# Allegro board 20250806_UNOQ.brd (continued)
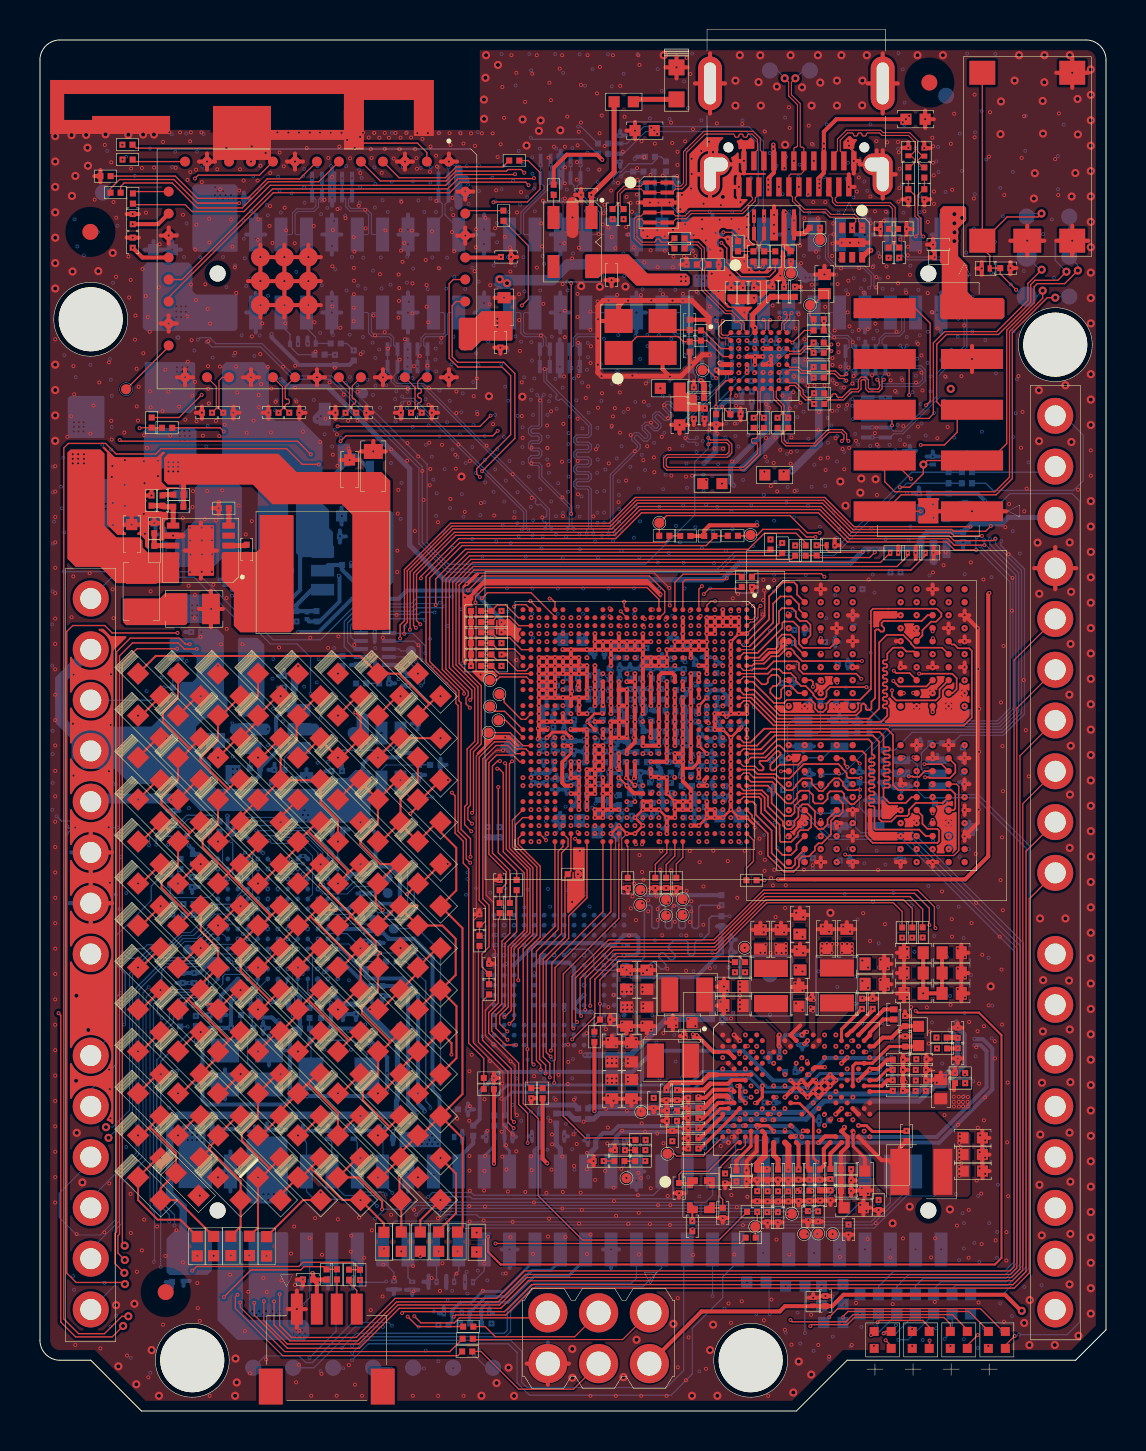
[diagram p0: board, top side]
## Routing (per net, layer and track width the routed paths; a pad name or vN(x,y) marks a point on that pad's centre or on a via; arc(x,y) is an arc through that point) (continued)
MCU_TRACE_D0: length 69.3
  S6 w0.064: v4(4.67,20.7) 4.22,20.24 4.22,15.51 4.96,14.77 4.96,6.98 6.23,5.71 9.2,5.71 9.47,5.44 12.41,5.44 13.26,4.59 v4(14,4.59)
  G7 w0.064: v5(20.37,9.57) 20.13,9.33 20.13,6.08 18.8,4.75 14.16,4.75 v4(14,4.59) ; v5(13.15,21.86) 13.15,21.58 12.47,20.9 10.59,20.9 9.96,20.27 8.26,20.27 8,20.02 7.06,20.02 6.5,20.57 5.21,20.57 5.08,20.7 v4(4.67,20.7)
  BOTTOM w0.051: MCU1.D3 13.16,22.37 13.16,21.86
  BOTTOM w0.066: 13.16,21.86 v5(13.15,21.86) ; JMISC1.6 42.54,10.42 41.58,9.46 20.48,9.46 v5(20.37,9.57)
MCU_TRACE_D2: length 42.4
  S6 w0.064: v4(12.7,22.38) 12.7,17.47 11.71,16.48 11.71,15.32 17.57,9.46 v5(17.57,9.31)
  G7 w0.064: v5(13.39,22.2) 13.31,22.2 13.13,22.38 v4(12.7,22.38)
  BOTTOM w0.066: JMISC1.8 41.27,10.67 40.28,9.68 21.99,9.68 21.85,9.82 20.29,9.82 19.97,9.5 17.76,9.5 v5(17.57,9.31)
MCU_TRACE_D3: length 66.5
  S6 w0.064: v4(13.87,4.84) 13.23,4.84 12.45,5.62 9.49,5.62 9.26,5.85 6.29,5.85 5.1,7.04 5.1,14.85 4.37,15.58 4.37,19.91 4.95,20.5 4.95,21.56 v4(4.88,21.64)
  G7 w0.064: v4(13.87,4.84) 14,4.97 18.51,4.97 19.56,6.02 19.56,7.96 19.92,8.32 19.92,9.85 v5(19.98,9.91) ; v4(4.88,21.64) 4.88,21.44 5.36,20.95 8.1,20.95 8.56,21.41 10.9,21.41 11.02,21.54 11.66,21.54 12.14,22.02 12.14,23.11 12.35,23.32 12.69,23.32 v5(12.9,23.11)
  BOTTOM w0.066: v5(19.98,9.91) 20.05,9.98 38.69,9.98 40,11.29 40,11.98
MCU_USART1_RX: length 14.2
  S6 w0.064: v4(4.57,23.34) 4.57,23.29 4.62,23.24 4.62,20.98 v4(4.34,20.7)
  G7 w0.064: v4(4.57,23.34) 4.72,23.5 7.68,23.5 7.94,23.75 9.5,23.75 9.83,24.08 10.82,24.08 11.13,23.77 12.24,23.77 v5(12.4,23.61) ; v5(7.01,19.74) 6.99,19.74 6.3,20.42 4.62,20.42 v4(4.34,20.7)
MCU_USART1_RX_CONN: length 66.5
  S3 w0.064: JDIGITAL1.1 50.8,6.15 50.6,6.35 49.6,6.35 48.15,4.9 32.56,4.9 31.27,6.2 24.46,6.2 24.02,5.76 24.02,3.7 21.24,0.92 17.22,0.92 16.84,1.3 v3(16.84,1.4)
  S6 w0.064: v3(16.84,1.4) 17.3,1.85 17.3,2.79 11.44,8.65 8.9,8.65 6.76,10.79 6.76,12.88 6.92,13.05 6.92,17.38 8.64,19.09 v4(8.64,19.46)
  G7 w0.064: v4(8.64,19.46) 7.62,19.46 v5(7.39,19.23)
  BOTTOM w0.064: R2624.2 v5(7.39,19.23)
MCU_USART1_TX: length 3.5
  BOTTOM w0.051: MCU1.B5 14.64,23.37 15.44,23.37
  BOTTOM w0.064: 15.44,23.37 15.8,23.01 15.8,22.81 16.13,22.48 R2623.1
MCU_USART1_TX_CONN: length 62.7
  S3 w0.064: v3(17.37,1.32) 17.64,1.32 17.86,1.1 21.16,1.1 23.84,3.78 23.84,5.83 24.39,6.38 31.34,6.38 32.64,5.08 48.03,5.08 49.55,6.6 49.78,6.6 JDIGITAL1.2
  S6 w0.064: v3(17.37,1.32) 18.01,1.32 18.54,1.85 18.54,5.43 18.29,5.68 18.29,6.9 19.14,7.75 v4(19.14,8.92)
  G7 w0.064: v4(19.14,8.92) 19.14,10.51 18.83,10.82 18.83,12.78 18.49,13.12 18.49,13.79 19.53,14.83 v5(19.53,15.16)
  BOTTOM w0.064: R2623.2 18.31,22.48 19.3,21.49 19.3,15.49 19.53,15.27 v5(19.53,15.16)
MCU_VCAP: length 37
  V5 w0.203: v3(7.09,18.75) 7.39,18.75 8.2,19.56 8.2,25.84 v3(7.35,26.69)
  S6 w0.203: v5(7.62,26.72) 7.39,26.72 7.37,26.7 7.37,26.69 v3(7.35,26.69)
  S6 w0.254: v4(7.37,18.76) 7.1,18.76 v3(7.09,18.75)
  G7 w0.203: v5(19.25,14.99) 19.25,15.01 18.87,15.39 8.1,15.39 7.37,16.12 v4(7.37,18.76)
  BOTTOM w0.051: 8.11,26.61 MCU1.N11
  BOTTOM w0.2: v5(19.25,14.99) 19.23,14.99 19.23,15.07 18.92,15.37 18.92,20.85 18.14,21.64 16.51,21.64 16.31,21.84 C2501.1 16.15,22.07 15.11,23.11 MCU1.A4
  BOTTOM w0.203: v5(7.62,26.72) 8,26.72 8.11,26.61
MCU_VREF+: length 91.1
  V5 w0.524: v3(7.57,20.68) 7.14,20.68 5.58,22.23 5.58,25.86 6.44,26.72 6.46,26.72 7.7,27.96 7.7,29.89 4.8,32.79 4.8,48.3 7.11,50.61 7.11,51.81 7.93,52.63 10.71,52.63 v3(11.74,51.6)
  S6 w0.203: v4(7.87,20.68) v3(7.57,20.68)
  S6 w0.254: v3(11.74,51.6) v5(12.04,51.6)
  G7 w0.203: v5(8.48,20.6) 7.95,20.6 v4(7.87,20.68)
  BOTTOM w0.2: v5(8.48,20.6) C2521.1 C2520.1 9.04,20.76 MCU1.L1
  BOTTOM w0.254: JDIGITAL1.16 48.44,44.7 48.11,44.37 46.6,44.37 C2614.1 44.39,43.96 44.06,43.63 U2501.3 41.26,43.11 40.57,42.42 34.98,42.42 34.14,41.58 20.22,41.58 18.5,43.3 18.5,47.13 14.39,51.24 12.4,51.24 v5(12.04,51.6)
MCU_VREF_EN: length 133.3
  TOP w0.066: v6(4.16,4.25) 3.62,3.71 1.78,3.71 1.04,4.45 1.04,19.79 v2(0.93,19.9)
  S3 w0.064: v2(0.93,19.9) v3(1.93,19.9)
  S6 w0.064: v3(1.93,19.9) 3.15,19.9 v4(3.4,19.65)
  G7 w0.064: v5(6.11,19.65) 5.9,19.86 3.61,19.86 v4(3.4,19.65) ; v5(48.98,3.82) 47.45,5.35 42.13,5.35 40.39,7.09 24.06,7.09 22.89,5.92 22.89,3.51 21.05,1.67 12.71,1.67 8.96,5.42 5.61,5.42 4.45,4.25 v6(4.16,4.25)
  BOTTOM w0.058: 9.03,21.87 8.64,21.87 8.42,21.65 8.42,21.33 8.04,20.95 6.51,20.95 5.87,20.31 5.87,19.89 v5(6.11,19.65)
  BOTTOM w0.066: 9.03,21.87 9.27,22.11 MCU1.M2 ; v5(48.98,3.82) 51.39,3.82 52.02,4.45 52.02,45.51 51.64,45.89 48.53,45.89 47.56,44.92 R2515.1 45.37,44.92 U2501.6
MIC2_BIAS: length 47.5
  S3 w0.127: v2(40.39,17.11) 40.71,17.44 42.41,17.44 42.5,17.35 43.6,17.35 v2(43.85,17.59)
  S3 w0.15: v3(20.66,4.35) 20.66,4.26 20.89,4.03 22.27,4.03 22.49,4.26 22.49,6.49 23.7,7.7 45.85,7.7 47.22,9.07 47.22,9.08 47.38,9.24 47.39,9.24 48.13,9.98 48.13,16.71 47.01,17.83 44.08,17.83 v2(43.85,17.59)
  S6 w0.15: v5(19.94,4.31) 20.62,4.31 v3(20.66,4.35)
MIC2_BIAS_CONN: length 6.5
  BOTTOM w0.15: JMISC1.33 24.76,7.55 23.19,5.98 22.14,5.98 21.6,5.44 21.04,5.44 20.61,5.01 D26067.2 20.61,4.88 20.61,4.48 R2646.1
MIC2_INN: length 46.1
  S3 w0.127: v2(39.82,15.98) 41.1,17.26 41.72,17.26 42.21,16.76 42.62,16.76 42.7,16.84 43.6,16.84 v2(43.82,17.06)
  S3 w0.15: v3(21.35,4.41) 21.44,4.32 22.07,4.32 22.24,4.49 22.24,6.59 23.67,8.03 45.62,8.03 47.83,10.24 47.83,16.37 46.83,17.37 44.13,17.37 v2(43.82,17.06)
  S6 w0.15: v3(21.35,4.41) 21.31,4.37 v5(21.02,4.37)
MIC2_INN_CONN: length 6.7
  BOTTOM w0.15: JMISC1.31 26.05,8.07 26.05,7.53 25.56,7.04 24.62,7.04 23.3,5.72 22.31,5.72 D26066.2 21.5,4.39 R2637.1
MIC2_INP: length 44.9
  S3 w0.127: v2(39.54,15.7) 40.16,15.7 40.46,16 40.92,16 41.25,16.33 42.48,16.33 42.58,16.23 43.52,16.23 v2(43.82,16.53)
  S3 w0.15: v3(21.87,4.66) 21.95,4.74 21.95,6.64 23.67,8.36 45.42,8.36 47.57,10.52 47.57,16.27 46.76,17.08 44.37,17.08 v2(43.82,16.53)
  S6 w0.15: v5(22.58,4.37) 22.16,4.37 v3(21.87,4.66)
MIC2_INP_CONN: length 7.5
  BOTTOM w0.15: JMISC1.29 27.32,8.07 27.32,7.64 26.41,6.73 24.71,6.73 23.42,5.44 22.39,5.44 22.09,5.14 D26065.2 22.09,4.38 R2636.1
MIPI_DSI0_CLK_M: length 68.9
  TOP w0.058: U3001.H8 37.53,51.3 37.76,51.3 38.06,51 38.06,50.81 38.3,50.57 38.54,50.57 v2(38.73,50.37)
  S3 w0.051: v2(30.17,29.68) 29.97,29.49 29.97,28.85 29.59,28.48 29.59,28.35 29.6,28.35 29.6,28.33
  S3 w0.053: v2(38.73,50.37) 38.93,50.56 39.05,50.56 39.25,50.36 39.25,48.85 39.38,48.72 39.38,48.29 v3(39.2,48.11) ; 29.6,28.33 29.6,28.14 27.01,25.55 23.25,25.55 21.79,24.09 19.29,24.09 19.16,24.22 18.94,24.22 v3(18.77,24.05)
  S6 w0.053: v3(39.2,48.11) 39.38,47.93 39.38,45.74 36.27,42.64 34.34,42.64 33.17,41.47 19.5,41.47 18.14,40.1 18.14,32.11 18.26,31.99 19.11,31.99 19.16,31.93 19.16,31.73 19.11,31.68 18.26,31.68 18.14,31.56 18.14,31.19 18.26,31.07 19.1,31.07 19.15,31.02 19.15,30.82 19.1,30.76 18.26,30.76 18.14,30.64 18.14,30.35 18.26,30.22 19.1,30.22 19.15,30.17 19.15,29.97 19.1,29.92 18.26,29.92 18.14,29.8 18.14,29.5 18.26,29.38 18.57,29.38 18.62,29.32 18.62,29.12 18.57,29.07 18.26,29.07 18.14,28.95 18.14,28.65 18.26,28.53 18.57,28.53 18.62,28.47 18.62,28.27 18.57,28.22 18.26,28.22 18.14,28.1 18.14,24.42 18.32,24.24 18.58,24.24 v3(18.77,24.05)
MIPI_DSI0_CLK_M_CONN: length 22
  TOP w0.058: 39.24,50.37 39.44,50.57 40.2,50.57 40.61,50.98 40.94,50.98 41.08,51.12 41.08,51.53 41.14,51.59 41.26,51.59 41.32,51.53 41.32,51.12 41.45,50.98 41.98,50.98 42.13,51.13 42.13,51.5 v2(42.22,51.59)
  S3 w0.053: v3(42.99,53.57) 43.18,53.76 43.18,54.04 43.38,54.24 44.18,54.24 44.5,53.92 44.5,52.61 44.18,52.29 43.53,52.29 43.48,52.24 43.48,52.05 43.36,51.93 43.15,51.93 43.03,52.05 43.03,52.24 42.98,52.29 42.29,52.29 42.11,52.11 42.11,51.7 v2(42.22,51.59)
  S6 w0.053: v5(43.04,53.29) 43.04,53.52 v3(42.99,53.57)
  BOTTOM w0.058: v5(43.04,53.29) 43.14,53.19 43.14,52.91 43.08,52.85 43.07,52.85 43.01,52.79 43.01,52.67 43.07,52.61 43.08,52.61 43.14,52.56 43.14,52.3 43.3,52.15 44.04,52.15 44.16,52.03 44.16,51.59 43.96,51.39 42.18,51.39 42.12,51.45 42.12,51.73 42.3,51.91 U2612.1 U2612.10 42.3,53.24 42.12,53.42 42.12,53.57 42.32,53.77 43.02,53.77 43.25,54 43.25,54.89 43.31,54.95 JMEDIA1.3
MIPI_DSI0_CLK_P: length 68.9
  TOP w0.058: U3001.G8 37.49,51.43 37.82,51.43 38.19,51.06 38.19,50.87 38.35,50.71 38.54,50.71 v2(38.73,50.91)
  S3 w0.051: 29.48,28.33 29.48,28.35 29.48,28.35 29.48,28.52 29.86,28.9 29.86,29.21 29.79,29.28 v2(29.77,29.28)
  S3 w0.053: 29.48,28.33 29.48,28.18 26.96,25.67 23.2,25.67 21.74,24.21 20.87,24.21 20.81,24.26 20.81,24.32 20.76,24.37 20.65,24.37 20.6,24.32 20.6,24.26 20.55,24.21 20.44,24.21 20.39,24.26 20.39,24.32 20.33,24.37 20.23,24.37 20.18,24.32 20.18,24.26 20.12,24.21 20.02,24.21 19.96,24.26 19.96,24.32 19.91,24.37 19.8,24.37 19.75,24.32 19.75,24.26 19.7,24.21 19.34,24.21 19.21,24.34 18.96,24.34 v3(18.77,24.53) ; v3(39.68,48.11) 39.5,48.29 39.5,48.77 39.37,48.9 39.37,50.41 39.1,50.68 38.95,50.68 38.73,50.9 v2(38.73,50.91)
  S6 w0.053: v3(18.77,24.53) 18.6,24.36 18.37,24.36 18.25,24.47 18.25,28.05 18.31,28.1 18.62,28.1 18.74,28.23 18.74,28.52 18.62,28.64 18.31,28.64 18.25,28.7 18.25,28.9 18.31,28.95 18.62,28.95 18.74,29.07 18.74,29.37 18.62,29.49 18.31,29.49 18.25,29.55 18.25,29.75 18.31,29.8 19.15,29.8 19.27,29.92 19.27,30.22 19.15,30.34 18.31,30.34 18.25,30.39 18.25,30.59 18.31,30.65 19.15,30.65 19.27,30.77 19.27,31.07 19.15,31.19 18.31,31.19 18.25,31.24 18.25,31.51 18.31,31.56 19.16,31.56 19.28,31.68 19.28,31.98 19.16,32.1 18.31,32.1 18.25,32.16 18.25,40.05 19.55,41.35 33.22,41.35 34.39,42.52 36.32,42.52 39.5,45.69 39.5,47.93 v3(39.68,48.11)
MIPI_DSI0_CLK_P_CONN: length 22
  TOP w0.058: v2(41.89,51.59) 42,51.48 42,51.19 41.92,51.11 41.51,51.11 41.45,51.17 41.45,51.58 41.31,51.72 41.08,51.72 40.95,51.58 40.95,51.17 40.89,51.11 40.55,51.11 40.15,50.71 39.92,50.71 39.86,50.77 39.86,50.82 39.8,50.88 39.69,50.88 39.63,50.82 39.63,50.77 39.57,50.71 39.36,50.71 39.24,50.83 39.24,50.91
  S3 w0.053: v3(43.47,53.57) 43.3,53.74 43.3,53.99 43.43,54.12 44.13,54.12 44.38,53.87 44.38,52.66 44.13,52.41 43.48,52.41 43.36,52.29 43.36,52.1 43.31,52.05 43.2,52.05 43.15,52.1 43.15,52.29 43.03,52.41 42.25,52.41 42,52.16 42,51.7 v2(41.89,51.59)
  S6 w0.053: v5(43.37,53.29) 43.37,53.47 v3(43.47,53.57)
  BOTTOM w0.058: v5(43.37,53.29) 43.27,53.19 43.27,52.36 43.35,52.28 44.1,52.28 44.29,52.09 44.29,51.53 44.02,51.26 42.12,51.26 41.98,51.39 41.98,51.73 41.8,51.91 U2612.2 U2612.9 41.8,53.23 41.99,53.42 41.99,53.63 42.26,53.9 42.96,53.9 43.11,54.05 43.11,54.89 43.05,54.95 JMEDIA1.5
MIPI_DSI0_L0_M: length 68.9
  TOP w0.058: 30.17,28.48 v2(30.12,28.35) ; U3001.F8 37.51,52.08 37.9,52.08 38.07,51.91 38.49,51.91 v2(38.71,51.69)
  S3 w0.053: v2(38.71,51.69) 38.9,51.88 39.15,51.88 40.12,50.91 40.12,49.86 v3(39.94,49.68) ; v3(19.33,22.94) 19.53,23.14 21.39,23.14 23.5,25.25 27.24,25.25 30.02,28.03 30.02,28.33 30.04,28.35 v2(30.12,28.35)
  S6 w0.053: v3(39.94,49.68) 40.12,49.5 40.12,49.25 40.66,48.71 40.66,47.06 40.59,46.98 40.33,46.98 40.28,47.04 40.28,48.32 39.89,48.71 38.94,48.71 38.69,48.46 38.69,45.74 36.1,43.14 34.19,43.14 32.95,41.9 19.26,41.9 17.63,40.27 17.63,24.32 18.84,23.11 19.15,23.11 v3(19.33,22.94)
MIPI_DSI0_L0_M_CONN: length 22
  TOP w0.058: R1503.2 39.42,51.89 39.75,51.89 39.99,51.65 40.23,51.65 40.34,51.54 v2(40.35,51.54)
  S3 w0.053: v2(40.35,51.54) 40.47,51.66 40.89,51.66 41.41,51.14 41.41,50.58 41.32,50.49 41.11,50.49 v3(40.92,50.68)
  S6 w0.053: v5(42.3,50.7) 42.49,50.51 42.86,50.51 43.19,50.84 43.19,51.34 43.14,51.39 43.05,51.39 42.99,51.44 42.99,51.55 43.05,51.6 43.14,51.6 43.19,51.66 43.19,51.76 43.14,51.82 43.05,51.82 42.99,51.87 42.99,51.98 43.05,52.03 43.14,52.03 43.19,52.08 43.19,52.39 44.24,53.44 44.24,55.53 44.11,55.66 43.69,55.66 43.64,55.61 43.64,55.4 43.52,55.28 43.32,55.28 43.19,55.4 43.19,55.61 43.14,55.66 43.03,55.66 42.98,55.61 42.98,55.4 42.86,55.28 42.66,55.28 42.53,55.4 42.53,55.61 42.48,55.66 41.76,55.66 41.6,55.82 41.6,56.07 v5(41.48,56.19) ; v5(40.65,50.61) 40.85,50.61 v3(40.92,50.68)
  BOTTOM w0.058: JMEDIA1.12 39.24,58.85 39.3,58.79 39.3,57.66 39.79,57.17 41.19,57.17 41.59,56.77 41.59,56.29 v5(41.48,56.19) ; v5(40.65,50.61) 40.74,50.52 40.98,50.52 41.16,50.7 U2611.10 v5(42.3,50.7)
MIPI_DSI0_L0_P: length 68.8
  TOP w0.058: SOC1.R30 v2(29.82,28.35) ; v2(38.71,52.22) 38.53,52.04 38.13,52.04 37.96,52.21 37.51,52.21 U3001.E8
  S3 w0.053: v3(40.41,49.68) 40.23,49.86 40.23,50.95 39.19,51.99 38.94,51.99 v2(38.71,52.22) ; v3(19.33,23.41) 19.49,23.26 19.76,23.26 19.81,23.31 19.81,23.37 19.87,23.42 19.97,23.42 20.03,23.37 20.03,23.31 20.08,23.26 21.34,23.26 23.45,25.37 27.2,25.37 29.91,28.08 29.91,28.33 29.89,28.35 v2(29.82,28.35)
  S6 w0.053: v3(19.33,23.41) 19.15,23.23 18.88,23.23 17.74,24.37 17.74,40.22 19.3,41.78 32.99,41.78 34.24,43.03 36.14,43.03 38.81,45.69 38.81,48.41 38.99,48.59 39.84,48.59 40.16,48.27 40.16,46.99 40.28,46.87 40.64,46.87 40.78,47.01 40.78,48.76 40.23,49.3 40.23,49.5 v3(40.41,49.68)
MIPI_DSI0_L0_P_CONN: length 22
  TOP w0.058: v2(40.35,51.87) 40.26,51.78 40.05,51.78 39.81,52.02 39.42,52.02 R1504.2
  S3 w0.053: v3(40.92,50.2) 41.09,50.37 41.37,50.37 41.53,50.53 41.53,51.19 40.94,51.78 40.44,51.78 v2(40.35,51.87)
  S6 w0.053: v5(42.3,50.2) 42.49,50.39 42.91,50.39 43.31,50.79 43.31,52.34 44.36,53.39 44.36,55.58 44.16,55.78 43.65,55.78 43.52,55.66 43.52,55.45 43.47,55.4 43.36,55.4 43.31,55.45 43.31,55.66 43.19,55.78 42.99,55.78 42.86,55.66 42.86,55.45 42.81,55.4 42.7,55.4 42.65,55.45 42.65,55.66 42.53,55.78 41.81,55.78 41.72,55.87 41.72,56.09 v5(41.81,56.19) ; v5(40.65,50.28) 40.84,50.28 v3(40.92,50.2)
  BOTTOM w0.058: v5(41.81,56.19) 41.72,56.27 41.72,56.83 41.25,57.3 39.85,57.3 39.44,57.71 39.44,58.79 39.5,58.85 JMEDIA1.10 ; v5(40.65,50.28) 40.75,50.38 40.98,50.38 41.16,50.2 U2611.9 v5(42.3,50.2)
MIPI_DSI0_L1_M: length 68.8
  TOP w0.058: v2(36.91,49.68) 37.1,49.88 37.1,50.24 36.71,50.63 36.71,51.01 U3001.H6
  S3 w0.05: 31.16,28.33 31.16,28.35 v2(31.04,28.47)
  S3 w0.053: v2(36.91,49.68) 36.91,49.46 v3(36.96,49.4) ; v3(19.02,20.21) 19.2,20.04 19.42,20.04 19.47,20.09 19.47,20.15 19.53,20.2 19.63,20.2 19.69,20.15 19.69,20.09 19.74,20.04 20.09,20.04 20.22,20.17 20.22,20.25 20.21,20.26 20.21,20.33 20.29,20.41 20.36,20.41 20.37,20.4 20.45,20.4 20.53,20.47 20.53,20.55 20.52,20.56 20.52,20.64 20.59,20.71 20.67,20.71 20.68,20.7 20.75,20.7 24.47,24.42 27.77,24.42 31.16,27.8 31.16,28.33
  S6 w0.053: v3(36.96,49.4) 37.12,49.56 37.12,49.79 37.26,49.93 37.83,49.93 38.07,49.69 38.07,49.06 37.03,48.02 37.03,45.26 35.76,43.99 33.98,43.99 32.55,42.56 18.98,42.56 16.86,40.43 16.86,24.21 18.47,22.6 18.47,20.2 18.65,20.02 18.83,20.02 v3(19.02,20.21)
MIPI_DSI0_L1_M_CONN: length 22.3
  TOP w0.058: R1505.2 37.11,48.98 37.11,48.49 37.32,48.28 38.8,48.28 39.48,48.96 40.09,48.96 40.23,48.82 40.23,48.62 v2(40.12,48.52)
  S3 w0.053: v2(40.12,48.52) 40.23,48.63 40.23,48.83 40.41,49.01 41.19,49.01 v3(41.36,49.18)
  S6 w0.053: v5(41.64,49.2) 41.62,49.18 v3(41.36,49.18)
  BOTTOM w0.058: U2611.7 v5(41.64,49.2) U2611.4 42.53,49.2 42.71,49.02 43.13,49.02 44.86,50.75 44.86,51.88 46.24,53.26 46.24,56.34 44.99,57.59 43.37,57.59 43.11,57.85 43.11,58.79 43.05,58.85 JMEDIA1.6
MIPI_DSI0_L1_P: length 68.8
  TOP w0.058: v2(37.44,49.68) 37.24,49.89 37.24,50.29 36.84,50.69 36.84,51.01 U3001.H7
  S3 w0.05: v2(31.04,28.87) 31.16,28.75 31.16,28.74 31.27,28.64 31.27,28.35 31.27,28.35 31.27,28.33
  S3 w0.053: v3(19.02,19.74) 19.21,19.92 20.14,19.92 24.52,24.3 27.82,24.3 31.27,27.75 31.27,28.33 ; v3(37.44,49.4) v2(37.44,49.68)
  S6 w0.053: v3(37.44,49.4) 37.23,49.61 37.23,49.74 37.31,49.81 37.78,49.81 37.96,49.64 37.96,49.11 36.92,48.07 36.92,45.31 35.71,44.11 33.93,44.11 32.5,42.67 18.93,42.67 16.74,40.48 16.74,24.16 18.35,22.55 18.35,20.15 18.6,19.9 18.81,19.9 18.97,19.74 v3(19.02,19.74)
MIPI_DSI0_L1_P_CONN: length 22.3
  TOP w0.058: v2(40.45,48.52) 40.36,48.61 40.36,48.88 40.15,49.09 39.42,49.09 38.74,48.41 37.38,48.41 37.24,48.55 37.24,48.98 R1506.2
  S3 w0.053: v3(41.36,48.7) 41.17,48.89 40.46,48.89 40.34,48.78 40.34,48.63 v2(40.45,48.52)
  S6 w0.053: v3(41.36,48.7) v5(41.64,48.7)
  BOTTOM w0.058: U2611.6 v5(41.64,48.7) U2611.5 42.54,48.7 42.72,48.88 43.18,48.88 44.99,50.69 44.99,51.82 46.37,53.2 46.37,56.4 45.05,57.72 43.43,57.72 43.25,57.9 43.25,58.79 43.31,58.85 JMEDIA1.4
MIPI_DSI0_L2_M: length 68.9
  TOP w0.058: v2(38.71,52.93) 38.51,53.13 38.33,53.13 38.07,52.88 37.51,52.88 U3001.D8
  S3 w0.053: v3(19.22,21.66) 19.41,21.84 20.4,21.84 20.93,22.37 21.2,22.37 23.78,24.95 27.48,24.95 30.43,27.9 30.43,28.74 v2(30.57,28.88) ; v2(38.71,52.93) 38.74,52.96 v3(39.01,52.96)
  S6 w0.053: v3(19.22,21.66) 18.98,21.9 18.8,21.9 18.68,22.03 18.68,22.79 17.18,24.29 17.18,40.4 19.09,42.31 32.65,42.31 33.98,43.64 36,43.64 38.21,45.84 38.21,48.59 38.5,48.88 38.5,50.28 39.22,51 39.4,51 39.52,50.87 39.6,50.87 39.67,50.95 39.67,51.02 39.55,51.15 39.55,51.32 39.8,51.58 39.8,52.9 39.55,53.15 39.2,53.15 v3(39.01,52.96)
MIPI_DSI0_L2_M_CONN: length 22.3
  TOP w0.058: R1507.2 39.4,53.12 39.5,53.12 v2(39.6,53.02)
  S3 w0.053: v2(39.6,53.02) 39.71,53.13 40,53.13 40.14,53.27 40.14,53.55 40.19,53.6 40.24,53.6 40.29,53.65 40.29,53.76 40.24,53.81 40.19,53.81 40.14,53.86 40.14,54.99 40.02,55.12 39.01,55.12 38.96,55.17 38.96,55.28 39.01,55.33 40.02,55.33 40.14,55.45 40.14,55.65 40.02,55.78 39.01,55.78 38.96,55.83 38.96,55.94 39.01,55.99 40.02,55.99 40.14,56.11 40.14,56.84 40.26,56.96 40.63,56.96 40.74,56.85 40.74,55.05 40.99,54.8 41.24,54.8 v3(41.41,54.63)
  S6 w0.053: v5(40.71,52.05) 40.6,52.16 40.6,52.39 40.53,52.46 40.53,53.35 40.58,53.4 41.29,53.4 41.41,53.52 41.41,53.72 41.29,53.85 40.58,53.85 40.53,53.9 40.53,54.68 40.66,54.81 41.23,54.81 v3(41.41,54.63)
  BOTTOM w0.058: JMEDIA1.9 39.5,54.95 39.44,54.89 39.44,54.04 39.68,53.8 40.42,53.8 40.62,53.6 40.62,53.2 U2612.7 U2612.4 v5(40.71,52.05)
MIPI_DSI0_L2_P: length 68.9
  TOP w0.058: v2(38.71,53.44) 38.53,53.26 38.27,53.26 38.02,53.01 37.51,53.01 U3001.C8
  S3 w0.053: v2(30.17,28.88) 30.31,28.74 30.31,27.95 27.43,25.07 23.73,25.07 21.16,22.49 20.88,22.49 20.35,21.96 20.02,21.96 19.97,22.01 19.97,22.11 19.92,22.16 19.81,22.16 19.76,22.11 19.76,22.01 19.7,21.96 19.4,21.96 v3(19.22,22.14) ; v3(39.01,53.44) v2(38.71,53.44)
  S6 w0.053: v3(19.22,22.14) 19.11,22.02 18.85,22.02 18.8,22.07 18.8,22.84 17.3,24.34 17.3,40.35 19.13,42.19 32.7,42.19 34.03,43.52 36.05,43.52 38.33,45.8 38.33,48.54 38.62,48.83 38.62,50.23 39.27,50.88 39.35,50.88 39.47,50.76 39.65,50.76 39.79,50.9 39.79,51.07 39.66,51.2 39.66,51.27 39.92,51.53 39.92,52.95 39.6,53.26 39.19,53.26 v3(39.01,53.44)
MIPI_DSI0_L2_P_CONN: length 22.3
  TOP w0.058: v2(39.6,53.35) 39.5,53.25 39.4,53.25 R1508.2
  S3 w0.053: v2(39.6,53.35) 39.71,53.24 39.95,53.24 40.02,53.32 40.02,54.95 39.97,55 38.96,55 38.84,55.12 38.84,55.32 38.96,55.45 39.97,55.45 40.02,55.5 40.02,55.61 39.97,55.66 38.96,55.66 38.84,55.78 38.84,55.98 38.96,56.11 39.97,56.11 40.02,56.16 40.02,56.89 40.21,57.08 40.68,57.08 40.86,56.9 40.86,55.1 41.04,54.92 41.22,54.92 v3(41.41,55.11)
  S6 w0.053: v3(41.41,55.11) 41.23,54.93 40.61,54.93 40.41,54.73 40.41,53.85 40.53,53.73 41.24,53.73 41.3,53.68 41.3,53.57 41.24,53.52 40.53,53.52 40.41,53.39 40.41,52.41 40.48,52.34 40.48,52.15 v5(40.38,52.05)
  BOTTOM w0.058: JMEDIA1.11 39.24,54.95 39.3,54.89 39.3,53.99 39.62,53.67 40.36,53.67 40.49,53.54 40.49,53.2 U2612.6 U2612.5 40.3,52.13 v5(40.38,52.05)
MIPI_DSI0_L3_M: length 68.9
  TOP w0.058: U3001.H4 35.91,51.01 35.91,49.88 v2(35.71,49.68)
  S3 w0.05: v2(30.57,29.28) 30.64,29.21 ; 30.65,28.4 30.64,28.39 30.64,28.33
  S3 w0.053: 30.64,29.21 30.64,29.06 30.74,28.96 30.74,28.81 30.65,28.71 30.65,28.4 ; v2(35.71,49.68) 35.71,49.43 v3(35.74,49.4) ; v3(17.83,21.44) 17.83,21.21 17.93,21.11 18.12,21.11 18.18,21.16 18.18,21.21 18.23,21.26 18.34,21.26 18.39,21.21 18.39,21.16 18.44,21.11 18.55,21.11 18.6,21.16 18.6,21.21 18.66,21.26 18.76,21.26 18.82,21.21 18.82,21.16 18.87,21.11 18.98,21.11 19.03,21.16 19.03,21.21 19.08,21.26 19.19,21.26 19.24,21.21 19.24,21.16 19.3,21.11 19.4,21.11 19.46,21.16 19.46,21.21 19.51,21.26 19.62,21.26 19.67,21.21 19.67,21.16 19.72,21.11 19.83,21.11 19.88,21.16 19.88,21.21 19.94,21.26 20.04,21.26 20.1,21.21 20.1,21.16 20.15,21.11 20.37,21.11 20.5,21.24 20.5,21.32 20.48,21.34 20.48,21.41 20.56,21.49 20.63,21.49 20.66,21.47 20.73,21.47 20.81,21.54 20.81,21.62 20.78,21.64 20.78,21.71 20.86,21.79 20.94,21.79 20.96,21.77 21.03,21.77 24.03,24.77 27.65,24.77 30.64,27.76 30.64,28.33
  S6 w0.053: v3(17.83,21.44) 17.58,21.44 17.42,21.59 17.42,22.82 16.45,23.8 16.45,40.6 18.81,42.96 32.38,42.96 33.94,44.53 35.59,44.53 36.63,45.57 36.63,47.78 36.18,48.23 36,48.23 35.87,48.1 35.8,48.1 35.72,48.17 35.72,48.25 35.85,48.38 35.85,48.55 35.23,49.18 35.23,49.53 35.42,49.72 35.87,49.72 35.92,49.67 35.92,49.58 v3(35.74,49.4)
MIPI_DSI0_L3_M_CONN: length 22.2
  TOP w0.058: v2(33.44,48.68) 33.55,48.57 34.41,48.57 34.61,48.37 34.61,47.92 34.4,47.71 31.43,47.71 31.33,47.61 31.33,47.29 31.42,47.2 35.19,47.2 35.9,47.91 35.9,48.36 35.84,48.41 35.66,48.41 35.6,48.47 35.6,48.59 35.66,48.65 35.84,48.65 35.9,48.71 35.9,48.99 R1509.2
  S3 w0.053: v3(33.15,48.77) 33.24,48.68 v2(33.44,48.68)
  S6 w0.053: v5(32.87,48.69) 33.07,48.69 v3(33.15,48.77)
  BOTTOM w0.058: JMEDIA1.15 35.69,54.95 35.63,54.89 35.63,53.88 35.49,53.74 34.56,53.74 34.44,53.62 34.44,53.31 U2606.10 U2606.1 34.63,52.01 34.45,51.83 34.45,51.6 32.41,49.57 32.41,48.67 32.48,48.6 32.78,48.6 v5(32.87,48.69)
MIPI_DSI0_L3_P: length 68.9
  TOP w0.058: U3001.H5 36.04,51.01 36.04,49.86 v2(36.22,49.68)
  S3 w0.05: 30.76,28.4 30.76,28.38 30.76,28.38 30.76,28.35 30.76,28.34 30.76,28.33 ; 30.76,29.25 30.76,29.22 30.76,29.22 30.76,29.21 ; 30.76,29.49 v2(30.57,29.68)
  S3 w0.053: v3(36.22,49.4) v2(36.22,49.68) ; 30.76,28.33 30.76,27.71 27.7,24.65 24.08,24.65 20.42,20.99 17.88,20.99 17.77,21.1 v3(17.49,21.1) ; 30.76,29.21 30.76,29.1 30.86,29 30.86,28.76 30.76,28.66 30.76,28.4 ; 30.76,29.25 30.76,29.49
  S6 w0.053: v3(36.22,49.4) 36.04,49.58 36.04,49.72 35.92,49.84 35.37,49.84 35.11,49.58 35.11,49.13 35.74,48.5 35.74,48.43 35.61,48.3 35.61,48.12 35.75,47.98 35.92,47.98 36.05,48.11 36.13,48.11 36.51,47.73 36.51,45.62 35.54,44.64 33.89,44.64 32.33,43.08 18.77,43.08 16.33,40.65 16.33,23.75 17.31,22.77 17.31,21.54 17.49,21.36 v3(17.49,21.1)
MIPI_DSI0_L3_P_CONN: length 22.1
  TOP w0.058: R1510.2 36.03,48.99 36.03,47.85 35.25,47.07 31.36,47.07 31.2,47.23 31.2,47.67 31.37,47.84 34.34,47.84 34.48,47.98 34.48,48.31 34.35,48.44 33.53,48.44 v2(33.44,48.35)
  S3 w0.053: v3(33.15,48.29) 33.21,48.35 v2(33.44,48.35)
  S6 w0.053: v5(32.87,48.36) 33.08,48.36 v3(33.15,48.29)
  BOTTOM w0.058: v5(32.87,48.36) 32.76,48.47 32.42,48.47 32.28,48.61 32.28,49.62 34.31,51.66 34.31,51.83 34.13,52.01 U2606.2 U2606.9 34.31,53.29 34.31,53.68 34.5,53.87 35.43,53.87 35.49,53.93 35.49,54.89 35.43,54.95 34.92,54.95
MUX_ALERT: length 51
  TOP w0.066: v2(25.32,28.55) 24.99,28.88 SOC1.AG29 ; U3001.B8 37.54,53.54 v2(37.64,53.44) 38.25,54.05 R3025.2
  S3 w0.064: v2(37.64,53.44) 37.64,52.52 38.28,51.88 38.28,50.22 38.5,50 38.5,47.04 39.41,46.13 v3(39.41,43.62) ; v3(19.53,28.21) 20.17,28.21 20.22,28.26 25.03,28.26 v2(25.32,28.55)
  S6 w0.064: v3(39.41,43.62) 38.72,42.94 37.34,42.94 36.52,42.11 34.51,42.11 33.19,40.79 22.12,40.79 19.5,38.17 19.5,37.13 19.86,36.77 19.86,28.91 19.53,28.57 v3(19.53,28.21)
MUX_CABLE_DET: length 42.3
  TOP w0.066: v2(22.55,49.79) 22.01,49.25 v2(14.89,49.25) ; SOC1.AG1 v2(24.54,40.51) ; TP3007.1 33.43,52.07 v2(33.83,51.66)
  S3 w0.064: v2(22.55,49.79) 22.55,50.14 v3(22.47,50.22) ; v3(30.09,50.91) 30.5,50.91 30.7,50.71 32.17,50.71 32.96,49.92 34.21,49.92 34.37,50.08 34.37,50.39 33.71,51.05 33.71,51.54 v2(33.83,51.66) 34.44,52.27 34.44,52.81 34.52,52.88 35.15,52.88 35.37,53.1 v2(35.37,53.14) ; v2(14.89,49.25) 14.95,49.25 15.83,48.37 15.83,45.46 18.59,42.7 20.47,42.7 22.56,40.61 24.43,40.61 v2(24.54,40.51)